# Altium PCB cyber60-alps.PcbDoc (part 4 of 4)
Units mm, origin at the board's own origin, x right, y up, seen from the top; angles counter-clockwise.
Board outline 284.73 x 94.2 mm, 2 copper layers (Component Side, Bottom Layer), stack 1.571 mm thick; 243 components, 151 nets, 841 pads, 663 vias.
Unrouted connection lines stored in the file: 6.
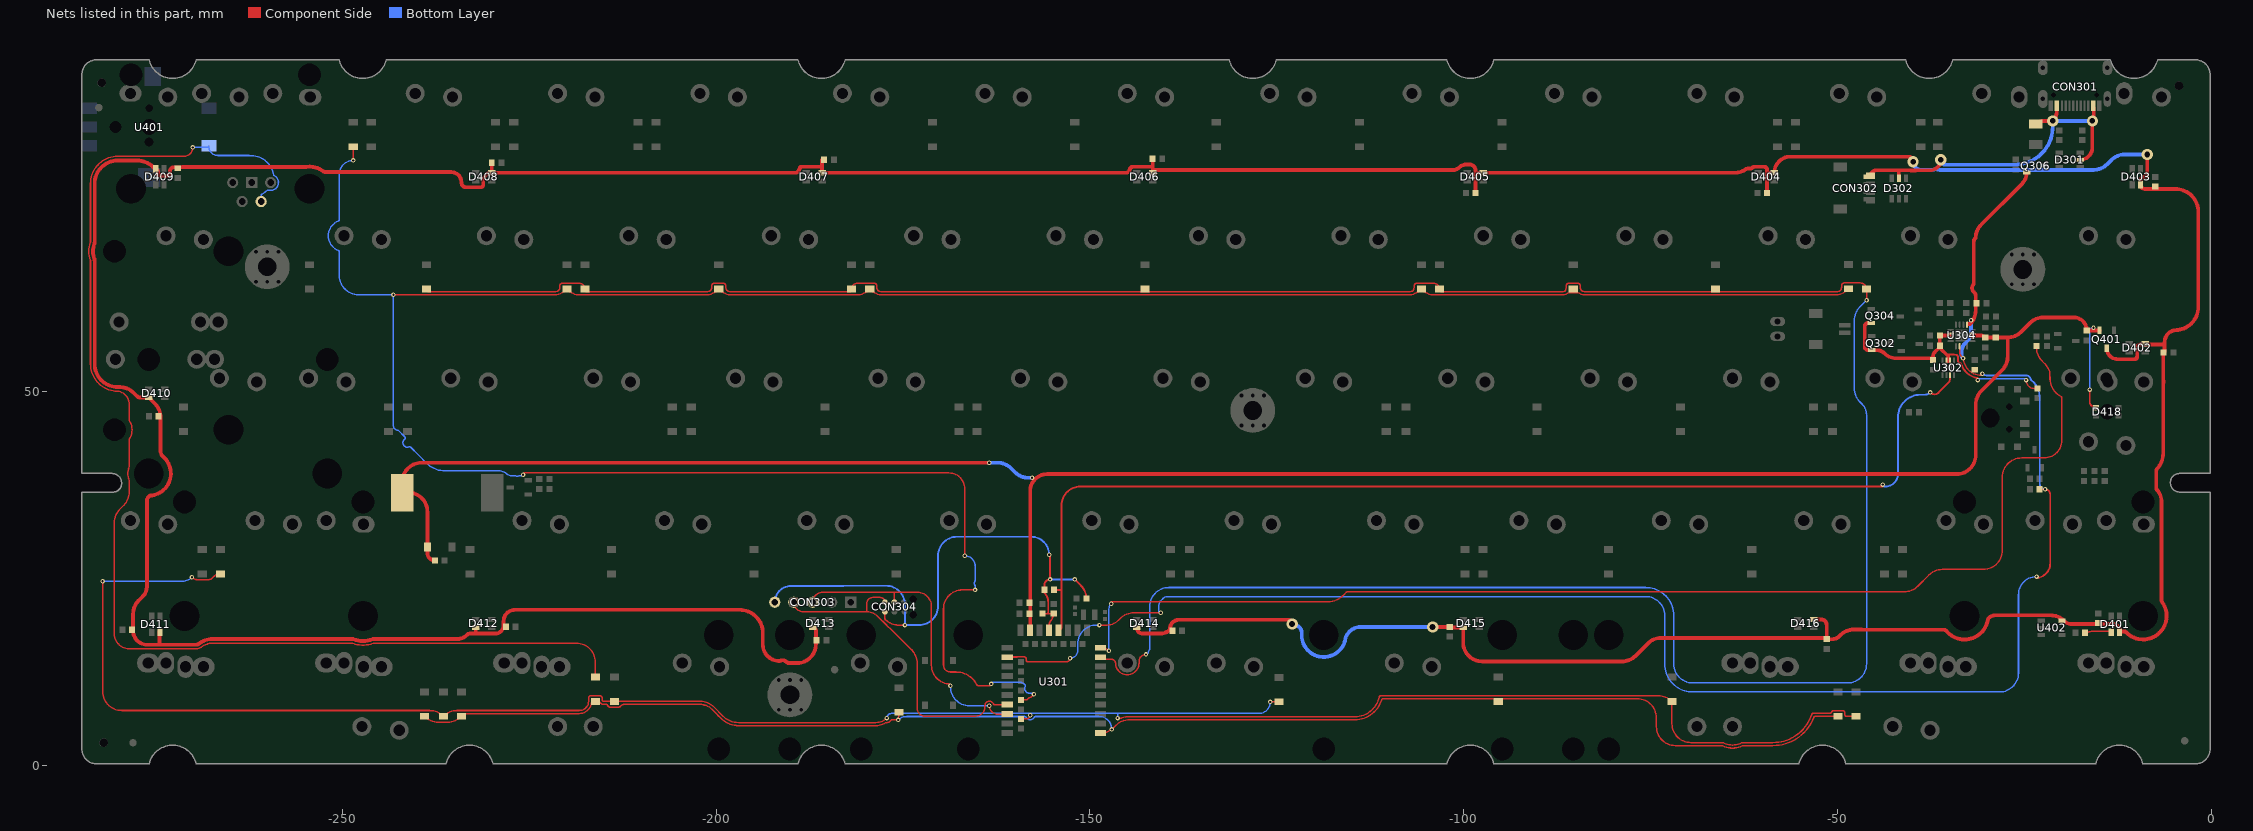
[diagram p4: the nets of this part, all layers, seen from the top]

## Via types
v1: diameter 0.6, hole 0.3, Component Side to Bottom Layer, tented both sides, 651 vias
v2: diameter 1, hole 0.5, Component Side to Bottom Layer, tented both sides, 5 vias
v3: diameter 1.5, hole 0.75, Component Side to Bottom Layer, tented both sides, 5 vias
v4: diameter 1.5, hole 0.8, Component Side to Bottom Layer, tented both sides, 2 vias

## Nets (pads, with @x,y where several pads share a name; then routed paths per layer and width w, separated by ;. In a path a pad name is that pad's centre, name@x,y a point inside that pad or via, vN(x,y) a via of type N, cw(c..) or ccw(c..) an arc to the next point about the centre after c; other vN are vias at no path point) (continued)
P0.30/AIN6: R401.1 U301.10 | length 164.2
  Component Side w0.203: U301.10@-148.563,15.756 -148.386,15.756 cw(c-148.386,14.428) v1(-147.447,15.367) ; v1@-147.193,21.882 -118.197,21.882 cw(c-118.145,21.686) -118.158,21.889 ccw(c-118.364,25.229) -115.749,23.141 ; -115.748,23.141 cw(c-115.59,23.014) -115.589,23.217 -104.775,23.217 -99.51,23.217 ccw(c-99.51,23.42) -99.474,23.22 -99.436,23.227 -99.392,23.235 -41.063,23.235 ccw(c-41.063,25.775) -39.267,23.979 -37.755,25.491 cw(c-35.959,23.695) -37.465,25.74 cw(c-35.959,23.695) -35.959,26.235 -30.48,26.235 ccw(c-30.48,28.775) -27.94,28.775 -27.94,38.583 cw(c-25.375,38.583) -25.375,41.148 -22.352,41.148 ccw(c-22.352,43.513) -19.987,43.513 -19.987,44.196 cw(c-19.431,44.196) -19.984,44.254 ccw(c-20.186,44.274) -19.983,44.273 -19.983,49.182 ccw(c-20.186,49.181) -20.09,49.36 cw(c-18.794,51.815) -21.565,51.978 ; R401.1@-23.368,56.119 -23.368,55.916 ccw(c-20.828,55.916) -23.155,54.897 ccw(c-20.828,55.916) -22.624,54.12 -22.225,53.721 cw(c-23.806,52.14) -21.57,52.14 -21.57,51.816
  Bottom Layer w0.203: v1(-147.447,15.367) -147.447,20.946 cw(c-146.441,20.946) v1(-147.152,21.657)
P0.31/AIN7: D215.2 D217.2 D219.2 D221.2 D223.2 D225.2 D227.2 U301.9 | length 376.4
  Component Side w0.203: D227.2@-238.76,63.73 ccw(c-238.381,63.73) -238.381,63.351 -235.839,63.351 -232.791,63.351 -221.798,63.351 ccw(c-221.798,65.488) -221.26,63.42 ccw(c-221.311,63.617) -221.207,63.442 ccw(c-221.534,63.984) -220.901,63.984 -220.901,64.185 cw(c-220.574,64.185) -220.574,64.512 -218.333,64.512 cw(c-218.333,63.73) D225.2@-217.551,63.73 ccw(c-217.067,63.73) -217.445,63.428 ccw(c-217.286,63.554) -217.286,63.351 -216.281,63.351 -201.478,63.351 ccw(c-201.478,65.488) -200.94,63.42 ccw(c-200.991,63.617) -200.887,63.442 ccw(c-201.214,63.984) -200.581,63.984 -200.581,64.185 cw(c-200.254,64.185) -200.254,64.512 -199.034,64.512 cw(c-199.034,64.185) -198.707,64.185 -198.707,63.984 ccw(c-198.074,63.984) -198.405,63.445 ccw(c-198.297,63.617) -198.35,63.421 ccw(c-197.81,65.488) -197.81,63.351 -196.215,63.351 -182.129,63.351 ccw(c-182.129,63.554) -181.971,63.426 ccw(c-182.348,63.73) D223.2@-181.864,63.73 cw(c-181.082,63.73) -181.082,64.512 -178.841,64.512 cw(c-178.841,64.185) -178.514,64.185 -178.514,63.984 ccw(c-177.881,63.984) -178.212,63.445 ccw(c-178.104,63.617) -178.157,63.421 ccw(c-177.617,65.488) -177.617,63.351 -107.498,63.351 ccw(c-107.498,65.488) -106.97,63.418 ccw(c-107.498,65.488) -106.968,63.418 ccw(c-107.498,65.488) -106.882,63.442 ccw(c-106.94,63.637) -106.792,63.497 ccw(c-107.129,63.811) -106.669,63.811 ccw(c-107.667,64.185) -106.601,64.185 cw(c-106.274,64.185) -106.274,64.512 -104.033,64.512 cw(c-104.033,63.73) D219.2@-103.251,63.73 ccw(c-102.872,63.73) -102.872,63.351 -87.102,63.351 ccw(c-87.102,65.488) -86.538,63.427 ccw(c-86.591,63.623) -86.421,63.512 ccw(c-87.146,63.984) -86.281,63.984 -86.281,64.185 cw(c-85.954,64.185) -85.954,64.512 -84.734,64.512 cw(c-84.734,64.185) -84.407,64.185 -84.407,63.984 ccw(c-83.774,63.984) -84.105,63.445 ccw(c-83.997,63.617) -84.05,63.421 ccw(c-83.51,65.488) -83.51,63.351 -50.388,63.351 ccw(c-50.388,65.488) -49.773,63.442 ccw(c-49.832,63.636) -49.713,63.471 ccw(c-50.084,63.984) -49.451,63.984 -49.451,64.225 cw(c-49.124,64.225) -49.124,64.552 -46.923,64.552 cw(c-46.923,63.73) D215.2@-46.101,63.73 -45.998,63.627 -46.101,63.524 v1(-46.101,62.23) ; U301.9@-148.25,14.2 -147.055,14.2 cw(c-147.055,13.716) -146.571,13.716 ccw(c-144.999,13.715) -146.477,13.18 ccw(c-144.999,13.715) -144.586,12.199 ccw(c-144.999,13.715) -143.428,13.717 -143.428,13.925 cw(c-142.494,13.925) v1(-142.494,14.859)
  Bottom Layer w0.203: -142.213,15.037 cw(c-141.224,14.859) -142.027,15.463 ccw(c-142.189,15.585) -141.986,15.586 -141.986,21.276 cw(c-139.446,21.276) -139.446,23.816 -75.648,23.816 cw(c-75.648,20.066) -73.955,23.412 cw(c-75.648,20.066) -73.223,22.926 cw(c-75.648,20.066) -72.387,21.918 cw(c-75.648,20.066) -71.898,20.066 -71.898,19.05 -71.898,13.589 ccw(c-69.358,13.589) -69.358,11.049 -48.641,11.049 ccw(c-48.641,13.589) -46.101,13.589 -46.101,46.854 ccw(c-48.269,46.854) -46.736,48.387 -47.008,48.659 cw(c-45.212,50.455) -47.752,50.455 -47.752,59.527 cw(c-45.212,59.527) -47.008,61.323 v1(-46.101,62.23)
P1.00: D216.2 D218.2 D220.2 D222.2 D224.2 D226.2 D228.2 U301.36 | length 368.7
  Component Side w0.203: v1@-248.539,80.899 D228.2@-248.539,82.78 ; v1(-243.16,62.992) -243.16,62.948 -241.935,62.948 -221.798,62.948 ccw(c-221.798,65.488) -220.002,63.692 D226.2@-219.964,63.73 D226.2@-219.904,63.67 ; v1@-225.854,38.91 cw(c-225.622,38.91) -225.622,39.142 -168.866,39.142 cw(c-168.866,37.006) -166.729,37.006 -166.729,28.089 cw(c-166.751,28.089) v1(-166.751,28.067) ; D226.2@-219.903,63.669 ccw(c-218.161,65.413) -219.39,63.276 ccw(c-218.161,65.413) -218.161,62.948 -201.478,62.948 ccw(c-201.478,65.488) -200.23,63.276 ccw(c-201.478,65.488) -199.682,63.692 D224.2@-199.644,63.73 -199.606,63.692 ccw(c-197.81,65.488) -199.058,63.276 ccw(c-197.81,65.488) -197.81,62.948 -181.254,62.948 ccw(c-181.254,65.413) -180.025,63.276 ccw(c-181.254,65.413) -179.511,63.67 D222.2@-179.451,63.73 -179.413,63.692 ccw(c-177.617,65.488) -178.865,63.276 ccw(c-177.617,65.488) -177.617,62.948 -107.498,62.948 ccw(c-107.498,65.488) -106.25,63.276 ccw(c-107.498,65.488) -105.702,63.692 D220.2@-105.664,63.73 -105.604,63.67 ccw(c-103.861,65.413) -105.09,63.276 ccw(c-103.861,65.413) -103.861,62.948 -87.102,62.948 ccw(c-87.102,65.488) D218.2@-85.854,63.276 ; v1(-165.354,23.495) -167.043,23.495 ccw(c-167.043,20.955) -169.583,20.955 -169.583,13.44 ccw(c-168.656,13.44) -169.54,13.161 -169.535,13.146 ccw(c-168.656,13.44) -169.475,13.006 ccw(c-168.656,13.44) -168.656,12.513 -167.894,12.513 cw(c-167.894,9.398) -165.402,11.267 cw(c-167.894,9.398) -165.113,10.801 ccw(c-164.932,10.893) -164.933,10.69 v1@-163.322,10.69 ; U301.36@-159.213,8.771 -158.517,8.771 ccw(c-158.518,8.974) -158.352,8.856 cw(c-157.861,8.509) -157.955,9.103 ccw(c-157.989,9.304) -157.846,9.159 v1(-157.48,9.525) ; D218.2@-85.306,63.692 cw(c-87.102,65.488) D218.2@-85.854,63.276 ; D216.2@-48.514,63.77 -48.592,63.692 cw(c-50.388,65.488) -50.388,62.948 -83.51,62.948 cw(c-83.51,65.488) -84.758,63.276 D218.2@-85.854,63.276
  Bottom Layer w0.203: v1(-248.541,80.942) ccw(c-248.541,79.088) -250.395,79.088 -250.395,73.054 cw(c-250.649,73.053) -250.555,72.817 ccw(c-249.775,70.865) -250.555,68.913 cw(c-250.649,68.677) -250.395,68.676 -250.395,65.532 ccw(c-247.855,65.532) -247.855,62.992 v1(-243.16,62.992) -243.16,45.584 ccw(c-242.57,45.466) -242.611,44.866 cw(c-242.625,44.663) -242.481,44.806 -241.641,43.967 cw(c-241.784,43.823) -241.662,43.66 ccw(c-241.3,43.18) -241.076,42.622 cw(c-241.001,42.433) -240.857,42.576 -239.827,41.547 -238.694,40.414 ccw(c-236.311,42.799) -238.013,39.889 ccw(c-236.311,42.799) -236.832,39.468 ccw(c-236.311,42.799) -236.311,39.427 -229.045,39.427 cw(c-229.045,37.916) -228.163,39.144 cw(c-229.045,37.916) -228.069,39.07 ccw(c-227.33,39.751) -227.33,38.746 -226.874,38.746 cw(c-226.873,38.543) -226.805,38.734 ; -226.804,38.734 ccw(c-226.6,39.3) -226.396,38.734 ; -226.395,38.735 cw(c-226.327,38.543) -226.326,38.746 -226.226,38.746 ccw(c-226.226,39.306) v1(-225.83,38.91) ; v1(-166.751,28.067) cw(c-166.751,26.67) -165.354,26.67 -165.354,24.762 cw(c-165.557,24.761) -165.378,24.666 ccw(c-164.846,24.384) -165.378,24.102 cw(c-165.557,24.007) -165.354,24.006 v1(-165.354,23.495) ; v1(-163.195,10.922) cw(c-162.814,10.922) -163.195,10.937 cw(c-162.992,10.928) -162.992,11.132 -159.363,11.132 cw(c-159.363,10.287) -158.666,10.764 cw(c-158.834,10.649) -158.652,10.558 ccw(c-158.115,10.287) -158.653,10.018 ccw(c-158.115,10.287) -158.115,9.685 -157.64,9.685 cw(c-157.64,9.525) v1(-157.48,9.525)
P1.04: D257.2 D259.2 D261.2 D263.2 D265.2 D267.2 U301.40 | length 303.9
  Component Side w0.203: v1(-282.067,24.638) -282.067,9.902 ccw(c-279.527,9.902) -279.527,7.362 -238.308,7.362 cw(c-238.308,4.822) -236.512,6.618 D265.2@-236.474,6.58 -236.414,6.64 cw(c-234.671,4.897) -234.671,7.362 -218.284,7.362 ccw(c-218.284,8.58) -217.066,8.58 -217.066,9.035 cw(c-216.764,9.035) -216.764,9.337 -215.544,9.337 cw(c-215.544,9.035) -215.242,9.035 -215.242,8.783 ccw(c-215.039,8.783) -215.039,8.58 D263.2@-213.614,8.58 -202.097,8.58 cw(c-202.097,6.04) -200.301,7.836 -199.102,6.637 ccw(c-196.991,8.688) -196.991,5.745 -178.625,5.745 ccw(c-178.625,7.81) v1(-177.165,6.35) ; v1(-270.117,25.196) ccw(c-269.278,26.035) -269.413,24.856 ccw(c-269.278,26.035) -269.278,24.848 -267.97,24.848 ccw(c-267.97,25.662) -267.395,25.086 -267.081,25.4 cw(c-266.526,24.845) -266.526,25.63 D267.2@-266.319,25.63 ; U301.40@-159.213,6.231 -158.488,6.231 ccw(c-158.488,6.731) v1(-157.988,6.731) ; v1(-146.304,6.35) -145.768,6.35 ccw(c-145.769,6.553) -145.701,6.362 cw(c-144.695,3.569) -144.699,6.537 cw(c-144.695,3.569) -144.695,6.537 -143.002,6.537 -114.554,6.537 ccw(c-114.554,9.884) -111.283,9.177 cw(c-111.085,9.133) -111.086,9.337 -73.945,9.337 cw(c-73.945,6.797) -72.149,8.593 D259.2@-72.136,8.58 -72.136,5.61 ccw(c-69.596,5.61) -69.596,3.07 -65.336,3.07 cw(c-65.335,2.867) -65.237,3.045 ccw(c-64.037,5.215) -62.837,3.045 cw(c-62.739,2.867) -62.738,3.07 -58.624,3.07 ccw(c-58.624,8.503) -55.44,4.1 ccw(c-58.624,8.503) -53.45,6.843 cw(c-53.257,6.78) -53.258,6.983 -51.002,6.983 ccw(c-51.003,7.186) -50.809,7.125 cw(c-50.521,7.035) -50.521,7.337 -49.301,7.337 cw(c-49.301,7.035) -48.999,7.035 -48.999,6.783 ccw(c-48.796,6.783) -48.796,6.58 D257.2@-47.498,6.58 ; v1(-125.857,8.509) -124.73,8.509 D261.2@-124.714,8.525
  Bottom Layer w0.203: v1(-282.067,24.638) -271.463,24.638 ccw(c-271.463,26.542) -271.176,24.66 ccw(c-271.463,26.542) v1(-270.117,25.196) ; v1(-177.165,6.35) cw(c-176.552,6.35) -176.552,6.963 -171.439,6.963 -160.528,6.963 -146.304,6.963 ; v1(-146.304,6.35) -146.304,6.963 ; v1(-125.857,8.509) cw(c-127.403,8.509) -127.403,6.963 -146.304,6.963
P1.09: R304.2 U301.17 U302.7 | length 150.3
  Component Side w0.254: R304.2@-154.798,23.495 -153.797,23.495 ; U301.17@-154.183,18.106 ccw(c-154.183,18.492) -153.797,18.492 -153.797,23.495 ; v1@-43.942,37.338 -151.232,37.338 ccw(c-151.232,34.773) -153.797,34.773 -153.797,23.495 ; v1(-37.592,49.911) ccw(c-36.979,50.524) -37.31,49.723 ccw(c-36.979,50.524) -36.979,49.657 ccw(c-36.979,50.327) -36.505,49.853 ; -36.505,49.853 -35.178,51.18 ; -35.178,51.181 ccw(c-35.78,51.782) -34.929,51.782 U302.7@-34.929,52.268
  Bottom Layer w0.254: v1(-43.942,37.592) ccw(c-43.688,37.592) -43.688,37.338 -43.561,37.338 ccw(c-43.561,38.989) -41.91,38.989 -41.91,46.584 cw(c-38.891,46.584) -38.891,49.603 -38.336,49.603 ccw(c-38.336,50.655) -37.898,49.698 ccw(c-38.336,50.655) v1(-37.592,49.911)
P1.11: D258.2 D260.2 D262.2 D264.2 D266.2 D270.2 U301.1 | length 204
  Component Side w0.203: D266.2@-239.014,6.58 -238.976,6.542 ccw(c-237.18,8.338) -237.18,5.798 -235.895,5.798 ccw(c-235.895,8.338) -234.099,6.542 D264.2@-234.061,6.58 cw(c-233.682,6.58) -233.682,6.959 -218.284,6.959 ccw(c-218.284,8.58) -216.672,8.399 cw(c-216.471,8.377) -216.47,8.58 D270.2@-216.154,8.58 -215.74,8.58 cw(c-215.739,8.377) -215.564,8.479 ccw(c-215.039,8.783) -215.039,8.177 -214.707,8.177 cw(c-214.706,7.974) -214.512,8.035 ccw(c-214.224,8.125) -214.224,7.823 -213.004,7.823 ccw(c-213.004,8.125) -212.728,8.003 cw(c-212.309,7.584) -212.554,8.124 cw(c-212.309,7.584) -212.309,8.177 -202.097,8.177 cw(c-202.097,6.04) -201.75,8.148 cw(c-201.783,7.948) -201.661,8.11 -201.639,8.093 ccw(c-201.516,8.255) -201.516,8.052 -201.412,8.052 cw(c-201.413,7.849) -201.343,8.039 cw(c-202.097,6.04) -200.584,7.549 -199.959,6.924 -199.705,6.671 ; -199.705,6.67 -199.389,6.355 ccw(c-196.991,8.688) -197.298,5.356 cw(c-197.315,5.154) -197.285,5.355 -197.216,5.344 ccw(c-197.186,5.545) -197.187,5.342 -178.625,5.342 ccw(c-178.625,7.81) -177.314,5.719 cw(c-177.207,5.546) -177.197,5.749 ccw(c-177.165,6.35) -176.67,6.008 cw(c-176.503,5.893) -176.504,6.096 v1@-175.771,6.096 ; v1(-175.641,6.096) v1@-175.771,6.096 ; D262.2@-175.514,7.128 cw(c-177.711,7.128) -175.641,6.392 cw(c-177.711,7.128) v1@-175.771,6.096 ; U301.1@-148.563,4.326 ccw(c-148.563,6.733) -146.861,5.031 -146.509,5.383 cw(c-144.695,3.569) -144.695,6.134 -114.554,6.134 ccw(c-114.554,9.884) -110.967,8.791 cw(c-110.773,8.73) -110.774,8.933 -96.23,8.933 cw(c-96.23,7.727) D260.2@-95.377,8.58 cw(c-94.524,7.727) -94.996,8.837 cw(c-94.524,7.727) -94.524,8.933 -76.757,8.933 cw(c-76.757,6.393) -74.217,6.393 -74.217,5.207 ccw(c-71.677,5.207) -71.677,2.667 -65.436,2.667 cw(c-65.435,2.464) -65.343,2.645 ccw(c-64.037,5.215) -62.731,2.645 cw(c-62.639,2.464) -62.638,2.667 -58.624,2.667 ccw(c-58.624,8.503) -53.161,6.449 cw(c-52.971,6.377) -52.972,6.58 cw(c-52.961,4.1) -52.961,6.58 D258.2@-49.911,6.58
  Bottom Layer w0.203: v1(-175.641,6.096) cw(c-174.522,4.977) -174.522,6.56 -161.036,6.56 -158.699,6.56 cw(c-158.7,6.356) -158.521,6.452 ccw(c-157.988,6.731) -157.455,6.452 cw(c-157.276,6.356) -157.277,6.56 -148.797,6.56 cw(c-148.8,4.826) v1(-147.066,4.826)
RAW: CON301.A4B9 CON301.B4A9 CON302.1 D301.5 D302.5 F301.2 | length 48
  Component Side w0.5: CON302.1@-45.625,78.75 cw(c-44.746,78.75) -44.746,79.629 -41.783,79.629 ; D302.5@-41.783,78.591 -41.783,79.629 ; v3(-36.195,81.026) cw(c-37.592,81.026) -37.592,79.629 -39.44,79.629 ccw(c-39.441,79.129) -39.57,79.612 cw(c-39.878,80.772) -40.186,79.612 ccw(c-40.315,79.129) -40.316,79.629 -41.783,79.629 ; F301.2@-23.495,85.805 cw(c-22.462,84.772) -22.462,86.233 v3(-21.209,86.233) ccw(c-22.559,87.583) -20.65,87.583 CON301.B4A9@-20.65,88 ; D301.5@-17.548,81.026 ccw(c-17.548,82.674) -15.9,82.674 v3(-15.9,86.233) ; v3@-15.7,86.535 CON301.A4B9@-15.7,88
  Bottom Layer w0.5: v3(-36.195,81.026) ccw(c-35.55,81.026) -35.55,80.381 -26.262,80.381 ccw(c-26.262,85.433) -21.209,85.433 v3(-21.209,86.233) v3@-16.002,86.233
ROT_SW_A1: CON401.1 D270.1 U401.1 | length 167.9
  Component Side w0.203: -280.257,50.077 cw(c-280.035,53.721) -280.655,50.123 cw(c-280.035,53.721) -282.092,50.704 cw(c-280.035,53.721) -283.131,51.786 cw(c-280.035,53.721) -283.686,53.721 -283.686,67.534 ccw(c-283.889,67.535) -283.698,67.604 cw(c-280.465,68.783) -283.698,69.962 ccw(c-283.889,70.031) -283.686,70.032 -283.686,77.85 cw(c-280.035,77.85) -283.24,79.599 cw(c-280.035,77.85) -281.556,81.169 cw(c-280.035,77.85) -280.035,81.501 -278.384,81.501 -276.763,81.501 -271.178,81.501 ccw(c-271.178,82.677) v1(-270.002,82.677) ; -280.256,50.076 ccw(c-280.035,53.721) -280.119,50.071 cw(c-280.124,49.868) -280.106,50.07 cw(c-280.257,48.331) -278.511,48.331 -278.511,47.052 -278.511,46.233 ccw(c-278.308,46.236) -278.481,46.129 cw(c-280.465,44.907) -278.481,43.685 ccw(c-278.308,43.578) -278.511,43.578 -278.511,40.078 cw(c-278.714,40.077) -278.523,40.008 ccw(c-275.888,39.06) -278.523,38.112 cw(c-278.714,38.043) -278.511,38.042 -278.511,36.593 cw(c-281.051,36.593) -279.255,34.797 -279.75,34.301 ccw(c-277.954,32.505) -280.296,33.488 ccw(c-277.954,32.505) -280.494,32.505 -280.494,24.915 -280.494,23.114 -280.494,17.609 ccw(c-278.486,17.609) -278.486,15.6 -269.538,15.6 ccw(c-269.538,16.664) -268.882,15.827 ccw(c-269.538,16.664) -268.88,15.829 cw(c-267.311,13.831) -268.098,16.246 cw(c-268.036,16.053) -268.035,16.256 cw(c-267.922,16.087) -267.973,16.283 cw(c-267.311,13.831) -267.311,16.371 -248.717,16.371 cw(c-248.716,16.168) -248.643,16.358 ccw(c-247.242,20.01) -245.841,16.358 cw(c-245.768,16.168) -245.767,16.371 -218.694,16.371 cw(c-218.694,13.831) -216.154,13.831 D270.1@-216.154,11.85
  Bottom Layer w0.203: v1(-270.002,82.677) -268.082,82.677 ccw(c-268.082,82.915) U401.1@-267.844,82.915 ccw(c-266.336,82.915) -267.839,82.794 ccw(c-266.649,82.794) -267.53,81.994 ccw(c-266.649,82.794) -266.65,81.604 ; -266.649,81.604 -262.488,81.604 cw(c-262.488,81.401) -262.467,81.603 -261.834,81.538 cw(c-262.128,78.61) -259.618,80.147 cw(c-262.128,78.61) -259.205,78.958 cw(c-259.588,77.978) -258.568,77.723 cw(c-259.588,77.978) -259.522,76.928 cw(c-259.588,77.978) -259.902,76.974 ccw(c-259.963,76.781) -260.02,76.976 -260.025,76.971 cw(c-262.105,79.053) -260.761,76.435 ccw(c-260.668,76.254) -260.858,76.327 CON401.1@-260.858,75.438
SWDCLK: CON303.3 CON304.4 U301.39 | length 40.7
  Component Side w0.203: CON303.3@-187.071,21.844 cw(c-185.718,21.844) -185.718,23.197 -176.149,23.197 ; CON304.4@-176.149,21.844 -176.149,23.197 ; v1@-168.656,10.9 cw(c-168.656,13.44) -171.196,13.44 -171.196,21.292 ccw(c-173.101,21.292) -173.101,23.197 -176.149,23.197 ; v1(-163.449,8.001) ccw(c-162.314,8.001) -162.314,6.866 U301.39@-161.063,6.866
  Bottom Layer w0.203: v1(-168.656,10.668) -168.656,10.541 ccw(c-166.116,10.541) -166.116,8.001 v1(-163.449,8.001)
SWDIO: CON303.4 CON304.2 U301.37 | length 44.9
  Component Side w0.203: CON303.4@-189.611,21.844 ccw(c-188.341,21.844) -188.341,20.574 -179.832,20.574 ; CON304.2@-177.419,21.844 ccw(c-178.054,21.844) -178.054,22.479 -179.07,22.479 ccw(c-179.07,21.717) -179.832,21.717 -179.832,20.574 ; U301.37@-161.063,8.136 -162.72,8.136 cw(c-162.719,8.339) -162.903,8.253 ccw(c-163.449,8.001) -164.036,7.87 cw(c-165.302,7.87) -164.04,7.768 cw(c-165.302,7.87) -165.222,6.607 cw(c-165.302,7.87) -165.302,6.604 -172.085,6.604 cw(c-172.085,7.62) -173.101,7.62 -173.101,13.68 ccw(c-175.641,13.68) -173.845,15.476 -176.437,18.068 -176.446,18.076 -177.188,18.773 -178.392,19.978 ccw(c-179.832,18.538) -179.832,20.574
UG_OUT: D401.4 R404.1 | length 3.5
  Component Side w0.203: R404.1@-16.749,17.653 cw(c-16.068,16.972) -16.068,17.935 -13.418,17.935 -13.35,17.935 cw(c-13.418,18.003) D401.4@-13.418,17.907
VBAT: C307.2 C312.2 C313.2 Q302.2 Q304.2 R311.2 U302.2 U302.3 U304.2 U304.3 | length 35.5
  Component Side w0.203: v1@-31.261,51.841 ccw(c-31.271,51.638) -31.337,51.83 ccw(c-31.271,51.638) -31.369,51.816 -31.242,51.816 v1(-31.242,51.562) ; v1(-24.765,51.562) ccw(c-23.637,51.562) -23.637,50.434 R311.2@-23.241,50.434
  Component Side w0.254: -35.179,54.981 -34.534,54.981 cw(c-34.534,53.467) -34.064,54.906 cw(c-34.143,54.665) -33.889,54.666 -33.889,54.185 ccw(c-33.562,54.185) -33.628,53.865 cw(c-33.681,53.616) -33.44,53.698 ccw(c-30.749,54.61) -32.823,52.668 ccw(c-30.749,54.61) v1@-31.337,51.83
  Component Side w0.5: Q304.2@-45.466,59.187 -45.91,59.187 ccw(c-45.91,58.743) -46.355,58.743 -46.355,56.045 ccw(c-45.875,56.045) -45.875,55.565 Q302.2@-45.396,55.565 -44.767,55.565 cw(c-44.767,54.039) -43.688,55.118 ccw(c-42.155,56.651) -43.307,54.814 ccw(c-42.155,56.651) -42.155,54.483 C307.2@-37.592,54.483 ; C307.2@-37.211,54.244 -37.211,54.737 cw(c-36.41,54.737) -36.977,55.303 -36.457,55.823 -36.457,55.959 C312.2@-36.307,56.109 ; -35.179,54.102 -35.179,54.737 -36.307,55.865 C312.2@-36.307,56.109 ; -34.925,57.531 C313.2@-36.307,57.531 C312.2@-36.307,56.134 C312.2@-36.307,56.109
  Bottom Layer w0.203: v1(-31.242,51.562) cw(c-31.036,51.562) -31.036,51.768 -25.933,51.768 v1@-24.765,51.768
VBUS: C308.2 C309.2 Q306.2 R305.1 U301.27 U304.6 U304.13 | length 238.8
  Component Side w0.203: -159.863,14.553 -160.996,14.553 ccw(c-160.996,14.486) U301.27@-161.063,14.486 -159.863,14.486 ccw(c-159.864,14.689) -159.763,14.513 ; -159.763,14.553 -158.813,14.553 cw(c-158.813,14.251) -158.662,14.512 cw(c-158.813,14.251) -158.511,14.251 -158.511,14.091 ccw(c-158.308,14.091) -158.308,13.887 -153.118,13.887 ccw(c-153.118,14.351) v1(-152.654,14.351) ; v1(-148.717,18.796) -147.71,18.796 ccw(c-147.71,20.964) -146.177,19.431 -145.915,19.693 cw(c-144.119,17.897) -144.119,20.437 v1(-140.532,20.437) ; U304.6@-33.651,56.081 -33.651,55.213 ccw(c-33.448,55.214) -33.608,55.089 cw(c-34.143,54.665) -33.473,54.795 ccw(c-33.274,54.836) -33.463,54.761 -33.46,54.761 -33.162,54.61 ccw(c-30.749,54.61) v1@-30.749,52.197
  Component Side w0.254: v1@-23.38,25.095 ccw(c-23.495,27.051) -21.536,27.051 -21.536,36.268 ccw(c-22.225,36.268) v1(-22.225,36.957) R305.1@-22.972,36.957
  Component Side w0.5: -32.512,59.058 -32.255,59.058 ccw(c-34.051,60.854) -31.511,60.854 -31.511,62.883 ccw(c-32.011,62.883) -31.657,63.236 -31.743,63.322 ccw(c-32.097,62.969) -31.755,63.334 cw(c-31.242,63.881) -31.846,64.326 ccw(c-32.25,64.62) -31.75,64.619 -31.75,70.134 cw(c-31.25,70.134) -31.511,70.561 cw(c-28.971,70.561) -30.767,72.357 -25.321,77.803 ccw(c-26.832,79.314) Q306.2@-24.695,79.314
  Bottom Layer w0.203: v1(-152.654,14.351) ccw(c-152.654,15.367) -151.638,15.367 -151.638,16.256 cw(c-149.098,16.256) -149.098,18.796 v1@-148.971,18.796 ; v1@-140.776,20.574 -140.776,21.276 cw(c-139.446,21.276) -140.578,21.975 cw(c-140.406,21.867) -140.55,22.01 -140.266,22.294 ccw(c-140.41,22.438) -140.259,22.301 -140.205,22.361 cw(c-140.054,22.225) -140.165,22.395 cw(c-139.446,21.276) -139.446,22.606 -75.648,22.606 cw(c-75.648,20.066) -73.108,20.066 -73.108,14.775 -73.108,13.589 ccw(c-69.358,13.589) -73.108,13.584 ccw(c-69.358,13.589) -72.473,11.502 ccw(c-69.358,13.589) -70.735,10.102 ccw(c-69.358,13.589) -69.358,9.839 -28.321,9.839 ccw(c-28.321,12.379) -25.781,12.379 -25.781,22.86 cw(c-23.368,22.86) v1(-23.368,25.273)
  Bottom Layer w0.254: v1(-30.607,52.418) ccw(c-30.073,52.952) -30.073,52.197 -24.765,52.197 cw(c-24.765,51.768) -24.63,52.175 ccw(c-24.551,52.417) -24.614,52.171 cw(c-24.765,51.562) -24.15,51.685 ccw(c-23.902,51.737) -24.062,51.54 cw(c-25.933,49.203) -22.939,49.203 -22.939,37.671 ccw(c-22.225,37.671) v1(-22.225,36.957)
  Bottom Layer w0.5: v1(-33.2,54.483) cw(c-32.715,54.968) -33.401,54.968 -33.401,55.372 cw(c-31.868,55.372) -32.952,56.456 -32.639,56.769 ccw(c-33.865,57.995) -32.131,57.995 v1(-32.131,59.563)
VCC_EXT: C401.2 C402.2 C403.2 C404.2 C405.2 C406.2 C407.2 C408.2 C409.2 C410.2 C411.2 C412.2 C413.2 C414.2 C415.2 C416.2 D401.1 D402.1 D403.1 D404.1 D405.1 D406.1 D407.1 D408.1 D409.1 D410.1 D411.1 D412.1 D413.1 D414.1 D415.1 D416.1 Q401.3 U402.5 | length 711.5
  Component Side w0.508: D409.1@-275.257,79.994 ccw(c-277.49,77.85) -275.531,80.247 ccw(c-277.49,77.85) -275.533,80.248 ccw(c-277.49,77.85) -277.485,80.946 -280.035,80.946 ccw(c-280.035,77.85) -283.119,78.119 ccw(c-280.035,77.85) -283.131,77.85 -283.131,69.988 cw(c-283.639,69.986) -283.164,69.806 ccw(c-280.465,68.783) -283.164,67.76 cw(c-283.639,67.58) -283.131,67.578 -283.131,53.721 ccw(c-280.035,53.721) -281.316,50.903 ccw(c-280.035,53.721) -280.035,50.625 -279.755,50.625 cw(c-279.755,48.085) -277.958,49.881 -277.495,49.418 ccw(c-277.051,49.862) -277.051,49.234 D410.1@-275.893,49.234 -275.063,48.404 cw(c-276.859,46.607) -274.319,46.607 -274.319,42.204 ccw(c-272.629,42.204) -274.233,41.673 ccw(c-273.513,41.912) -274,41.331 ; D409.1@-274.95,79.815 cw(c-275.162,79.353) -274.654,79.353 -274.654,79.315 ccw(c-274.2,79.315) -274.2,78.861 -273.5,78.861 ccw(c-273.5,79.315) -273.046,79.315 -273.046,79.52 cw(c-272.538,79.52) -272.59,80.025 -271.399,80.025 ; D411.1@-274.45,17.935 -274.45,16.328 ccw(c-274.207,16.328) -274.379,16.156 ; -273.424,40.688 ccw(c-275.888,39.06) -273.997,41.328 cw(c-273.513,41.912) -274,41.331 ; -271.399,80.074 -254.895,80.074 ccw(c-254.895,80.582) -254.821,80.08 ccw(c-254.895,80.582) -254.819,80.08 cw(c-254.381,77.16) -253.907,80.075 cw(c-254.381,77.16) -252.575,79.496 ccw(c-252.264,79.898) -252.264,79.39 -238.252,79.39 -235.479,79.39 ; -235.458,79.39 cw(c-235.458,78.003) -234.071,78.003 -234.071,78 ccw(c-233.414,78) -233.418,77.343 ccw(c-233.411,79.39) -233.411,77.343 -231.521,77.343 ccw(c-231.521,77.724) -231.14,77.724 -231.14,78.178 cw(c-230.018,78.178) D408.1@-230.018,79.3 ; D412.1@-232.148,18.45 -232.156,18.45 -232.156,17.646 ; C408.2@-230.012,80.772 -230.012,79.306 D408.1@-230.018,79.3 ; -188.879,79.727 cw(c-189.38,79.815) -189.226,79.33 cw(c-189.422,79.947) -189.422,79.3 D408.1@-230.018,79.3 ; -188.879,79.728 cw(c-188.432,79.65) -188.776,79.947 cw(c-188.618,79.947) -188.618,80.104 -185.947,80.104 ccw(c-185.947,80.235) -185.816,80.235 ; D413.1@-187.065,18.45 cw(c-187.065,18.035) -186.65,18.035 -186.65,16.241 cw(c-189.19,16.241) -189.19,13.701 -189.832,13.701 ccw(c-190.119,9.45) -190.223,13.709 cw(c-190.232,14.217) -190.594,13.861 ccw(c-191.135,13.335) -191.448,14.021 cw(c-191.657,14.484) -191.697,13.977 cw(c-191.516,16.208) -193.754,16.208 -193.754,17.73 ccw(c-196.85,17.73) -194.385,19.602 ccw(c-196.85,17.73) -196.58,20.813 -196.58,20.825 -226.904,20.825 ccw(c-226.904,19.304) -228.425,19.304 cw(c-230.083,19.304) -228.472,18.915 -228.472,18.692 cw(c-229.518,18.692) -229.518,17.646 -232.156,17.646 ; C407.2@-185.816,81.026 -185.816,80.235 ; D414.1@-143.715,18.45 ccw(c-142.911,18.45) -142.911,17.646 -140.577,17.646 ccw(c-140.577,19.404) -139.334,18.161 cw(c-137.988,18.161) -139.253,18.62 cw(c-137.988,18.161) -139.207,18.732 cw(c-137.988,18.161) -137.988,19.507 -123.52,19.507 cw(c-123.52,18.923) v4(-122.936,18.923) ; C406.2@-141.62,81.026 -141.585,81.026 -141.585,80.104 ; v4(-104.14,18.542) -102.023,18.542 cw(c-102.023,18.45) -101.931,18.45 D415.1@-100.065,18.45 -100.065,16.463 ccw(c-97.525,16.463) -97.525,13.923 -78.823,13.923 ccw(c-78.823,16.463) -77.027,14.667 -75.361,16.333 cw(c-73.565,14.537) -73.565,17.077 -70.993,17.077 -56.261,17.077 -54.763,17.077 -51.847,17.077 cw(c-51.847,16.494) C416.2@-51.435,16.906 ; C405.2@-98.425,76.454 -98.425,79.3 ; -63.514,79.306 cw(c-63.69,81.724) -63.69,79.3 D405.1@-97.368,79.3 -98.425,79.3 ; -63.325,79.328 ccw(c-63.69,81.724) -62.32,79.724 cw(c-61.893,79.097) -61.891,79.856 -61.71,79.856 ccw(c-61.71,80.364) -61.369,79.987 cw(c-61.065,79.65) -61.065,80.104 -59.823,80.104 cw(c-59.823,79.702) -59.421,79.702 -59.421,79.3 ; C404.2@-59.421,76.581 -59.421,79.3 ; D416.1@-53.152,19.55 -52.189,19.55 cw(c-52.189,18.796) -51.435,18.796 -51.435,18.442 C416.2@-51.435,16.906 ; v3@-39.878,81.153 ccw(c-40.577,80.454) -40.577,81.442 -56.293,81.442 ccw(c-56.293,79.3) D404.1@-58.435,79.3 -59.421,79.3 ; Q401.3@-13.97,55.823 ccw(c-12.503,55.823) -12.503,54.356 -10.276,54.356 ccw(c-10.276,54.726) -9.906,54.726 -9.906,55.88 cw(c-9.483,55.88) -9.483,56.303 -6.339,56.303 cw(c-6.339,56.16) -6.238,56.261 ; v3(-8.554,81.743) -8.554,79.165 cw(c-8.979,79.165) -8.979,78.74 ccw(c-8.979,78.269) -9.45,78.269 D403.1@-9.45,77.685 ccw(c-8.902,77.685) -8.902,77.137 -4.826,77.137 cw(c-4.826,74.041) -3.014,76.551 cw(c-4.826,74.041) -1.73,74.041 -1.73,61.341 cw(c-4.826,61.341) -2.637,59.152 cw(c-4.826,61.341) -3.936,58.376 cw(c-4.826,61.341) -4.44,58.27 ccw(c-4.377,57.766) -4.493,58.26 cw(c-4.62,58.801) -4.62,58.245 ccw(c-4.62,56.627) -6.238,56.627 -6.238,56.261 ; -274.379,16.156 -274.066,16.156 -269.538,16.156 ccw(c-269.538,16.664) -269.224,16.265 cw(c-267.311,13.831) -268.833,16.527 cw(c-267.311,13.831) -267.311,16.927 -248.669,16.927 cw(c-248.669,16.419) -248.481,16.891 ccw(c-247.242,20.01) -246.003,16.891 cw(c-245.815,16.419) -245.814,16.927 -234.612,16.927 ccw(c-234.612,18.669) -233.336,17.484 cw(c-232.964,17.138) -232.962,17.646 -232.156,17.646 ; -274.379,16.156 -276.11,16.156 cw(c-276.11,18.034) -277.988,18.034 -277.988,20.271 cw(c-275.448,20.271) -277.244,22.067 -276.704,22.607 ccw(c-278.106,24.011) -276.368,23.054 -276.36,23.067 ccw(c-278.661,24.143) -276.121,24.143 -276.121,35.476 cw(c-275.459,35.476) -275.708,36.09 cw(c-275.517,35.619) -275.573,36.124 cw(c-275.517,35.619) -275.572,36.124 ccw(c-275.888,39.06) -275.459,36.139 ccw(c-275.888,39.06) -274,41.331 ; -185.816,80.235 -185.816,79.3 D407.1@-185.802,79.3 -145.236,79.3 -145.164,79.3 ccw(c-145.164,79.808) -144.663,79.725 cw(c-144.215,79.65) -144.215,80.104 -141.585,80.104 ; -141.585,80.104 -141.585,79.667 -101.412,79.667 ccw(c-101.412,80.838) -100.584,80.01 cw(c-99.664,79.09) -99.664,80.391 -99.187,80.391 cw(c-99.187,79.629) -98.425,79.629 -98.425,79.3 ; C416.2@-51.435,16.906 -50.668,16.906 ccw(c-50.668,18.156) -49.784,17.272 -49.608,17.448 cw(c-47.812,15.652) -47.812,18.192 -46.736,18.192 -37.338,18.162 -35.802,18.162 cw(c-35.801,17.654) -35.412,17.982 ccw(c-32.994,20.01) -30.262,18.43 cw(c-29.822,18.176) -30.261,18.432 ccw(c-32.994,20.01) -29.981,19.073 ccw(c-32.994,20.01) -29.98,19.075 ccw(c-32.994,20.01) -29.889,19.444 cw(c-29.39,19.352) -29.815,19.631 cw(c-28.959,19.073) -28.959,20.094 -21.467,20.094 cw(c-21.467,17.605) -19.707,19.365 ccw(c-18.64,20.432) -18.64,18.923 -13.081,18.923 cw(c-13.081,18.092) -12.25,18.092 -12.25,17.935 -11.704,17.935 cw(c-11.706,17.427) -11.347,17.787 ccw(c-9.118,20.01) -6.002,19.562 ccw(c-9.118,20.01) -6.552,21.833 cw(c-6.137,22.126) -6.645,22.124 -6.645,34.416 -6.645,35.017 cw(c-6.137,35.017) -6.643,35.057 ccw(c-9.118,35.25) -6.645,35.462 ccw(c-9.118,35.25) -7.242,36.876 cw(c-6.858,37.209) -7.366,37.209 -7.366,37.591 -7.366,37.973 -7.366,39.36 cw(c-6.858,39.36) -7.234,39.701 ccw(c-9.525,41.783) -6.907,40.13 cw(c-6.477,39.861) -6.907,40.132 ccw(c-9.525,41.783) -6.429,41.783 -6.429,50.881 cw(c-5.921,50.881) -6.425,50.951 ccw(c-9.031,51.315) -6.425,51.679 cw(c-5.921,51.749) -6.429,51.749 -6.429,55.181 cw(c-6.238,55.181) -6.238,55.372 -6.238,56.261
  Bottom Layer w0.508: v4(-122.936,18.923) cw(c-122.936,17.634) -121.665,17.847 cw(c-122.166,17.764) -121.66,17.722 ccw(c-118.718,17.47) -121.648,17.102 -121.647,17.099 ccw(c-118.718,17.47) -120.933,15.517 -120.892,15.47 ccw(c-120.51,15.806) -120.868,15.445 -120.858,15.435 cw(c-121.218,15.077) -120.852,15.429 ccw(c-118.718,17.47) -117.428,14.814 ; -118.605,14.519 ccw(c-118.718,17.47) -117.428,14.814 ; v4(-104.14,18.542) -113.749,18.542 ccw(c-113.749,16.384) -115.772,17.136 ccw(c-115.295,16.961) -115.797,17.037 cw(c-118.718,17.47) -115.885,16.638 -115.9,16.585 cw(c-116.388,16.728) -115.907,16.563 -115.925,16.512 cw(c-118.718,17.47) -116.05,16.205 cw(c-118.718,17.47) -117.428,14.814 ; v3(-39.878,80.772) ccw(c-38.783,80.772) -38.783,79.677 -37.592,79.677 -37.38,79.677 ccw(c-37.38,80.185) -37.213,79.705 cw(c-36.83,78.613) -36.448,79.705 ccw(c-36.28,80.185) -36.28,79.677 -34.925,79.677 -15.737,79.677 ccw(c-15.737,82.217) -13.94,80.421 -13.362,80.999 cw(c-11.566,79.203) -11.566,81.743 v3(-8.554,81.743)
VDD: C305.2 CON303.5 CON304.1 L301.1 R303.1 R304.1 U301.19 | length 75.3
  Component Side w0.203: CON304.1@-177.419,20.574 -177.419,19.659 ccw(c-177.216,19.659) -177.36,19.516 ; -177.36,19.515 ccw(c-175.601,21.275) -175.601,18.787 v1(-174.743,18.787)
  Component Side w0.254: L301.1@-156.337,20.305 -155.638,20.305 ; R304.1@-156.098,23.114 cw(c-157.361,21.851) -155.575,21.851 -155.575,20.458 cw(c-155.792,20.458) -155.638,20.305 ; R304.1@-156.098,23.495 -156.098,24.115 cw(c-155.321,24.115) v1(-155.321,24.892) -155.321,28.067 ccw(c-155.448,28.067) v1(-155.448,28.194) ; U301.19@-155.453,18.106 -155.453,18.806 cw(c-154.569,18.806) -155.194,19.431 ccw(c-155.807,20.044) -154.94,20.044 -154.94,20.305 -155.638,20.305 ; v1(-152.019,24.892) -151.414,24.287 -151.188,24.061 cw(c-152.897,22.352) R303.1@-150.48,22.352
  Bottom Layer w0.254: CON303.5@-192.151,21.844 cw(c-189.992,21.844) -189.992,24.003 -183.234,24.003 ccw(c-183.235,24.257) -183.186,24.008 cw(c-182.753,21.844) -182.753,24.051 -177.283,24.051 cw(c-177.283,21.511) -174.743,21.511 v1(-174.743,18.787) -172.847,18.787 ccw(c-172.847,21.327) -170.307,21.327 -170.307,28.067 cw(c-167.767,28.067) -167.767,30.607 -157.861,30.607 cw(c-157.861,28.194) v1(-155.448,28.194) ; v1(-155.321,24.892) v1(-152.019,24.892)
VSYS: BZ401.1 C301.2 C302.2 C310.2 C311.2 D417.2 D418.2 Q401.2 R402.2 R405.1 U301.23 U304.10 U304.11 | length 295
  Component Side w0.254: v1(-16.256,50.292) -16.256,48.709 ccw(c-15.412,48.709) D418.2@-15.412,47.865
  Component Side w0.5: R405.1@-237.632,27.432 cw(c-237.632,28.417) -238.617,28.417 D417.2@-238.617,29.21 -238.617,33.96 ccw(c-241.157,33.96) -241.157,36.5 BZ401.1@-241.966,36.5 -241.966,37.96 cw(c-239.426,37.96) -239.426,40.5 -227.368,40.5 ccw(c-227.37,41) -227.355,40.501 cw(c-227.33,39.751) -227.33,40.501 cw(c-227.33,39.751) -227.305,40.501 ccw(c-227.29,41) -227.292,40.5 v1@-163.576,40.5 ; U301.23@-157.993,18.106 -157.993,36.698 cw(c-155.702,36.698) -155.702,38.989 -34.061,38.989 ccw(c-34.061,41.554) -31.496,41.554 -31.496,48.311 cw(c-28.931,48.311) -30.745,50.125 -27.98,52.889 ccw(c-29.795,54.703) -27.263,54.289 ccw(c-29.795,54.703) -27.229,54.703 -27.229,57.262 ; -31.877,57.531 -30.875,57.531 cw(c-30.875,56.613) C311.2@-30.226,57.262 C310.2@-28.829,57.262 -27.229,57.262 ; Q401.2@-14.92,58.223 cw(c-14.962,58.223) -14.962,58.181 R402.2@-16.637,58.181 ccw(c-18.4,58.181) -18.4,59.944 -22.443,59.944 ccw(c-22.443,57.404) -24.239,59.2 -25.433,58.006 cw(c-27.229,59.802) -27.229,57.262
  Bottom Layer w0.254: v1(-16.256,50.292) -16.256,58.039 cw(c-15.748,58.039) v1(-15.748,58.547)
  Bottom Layer w0.5: v1(-163.449,40.513) -162.353,40.513 cw(c-162.353,37.948) -160.539,39.762 -160.009,39.232 ccw(c-158.195,41.046) -158.195,38.481 v1(-157.734,38.481)
pads on no net: CON301. CON301.A8 CON301.B8 CON304.0 CON304.6 D301.3 D301.4 D302.3 D302.4 D416.2 D418. FID1.0 FID2.0 FID3.0 FID4.0 S201. S202. S203. S204. S205. S206. S207. S208. S209. S210. S211. S212. S213. S214. S215. S216. S217. S218. S219. S220. S221. S222. S223. S224. S225. S226. S227. S228. S229. S230. S231. S232. S233. S234. S235. S236. S237. S238. S239. S240. S241. S242. S243. S244. S245. S246. S247. S248. S249. S250. S251. S252. S253. S254. S255. S256. S257. S258. S259. S260. S261. S262. S263. S264. S265. S266. S267. SW301. U302.5 U401. U401.M
copper on no net: | length 0.2
  Bottom Layer w0.203: -283.844,85.415 -283.594,85.415
  other v1: -42.799,44.958 -40.259,44.958

## Polygon pours and split planes (outlines as drawn)
GND on Bottom Layer "Component Side-No Net" (solid, remove dead copper, pour order 4): -0.635,93.995 -0.635,0.65 -284.48,0.65 -284.48,93.995
GND on Component Side "Component Side-No Net" (solid, remove dead copper, pour order 8): -0.635,93.995 -0.635,0.65 -284.48,0.65 -284.48,93.995

## Other copper
Component Side:
  pour cut-out: -189.992,-1.016 -189.992,2.413 cw(c-188.722,2.413) -188.722,3.683 -119.634,3.683 cw(c-119.634,2.413) -118.364,2.413 -118.364,-1.016
Bottom Layer:
  pour cut-out: -189.992,-1.016 -189.992,2.413 cw(c-188.722,2.413) -188.722,3.683 -119.634,3.683 cw(c-119.634,2.413) -118.364,2.413 -118.364,-1.016

## Silkscreen, mask and mechanical layers (free items; w line width, h text height)
Top Overlay:
  drawing of 23 lines, arcs and shapes, not listed
  text "ROT A" at -265.176,83.312 h0.75 r270
  text "ROT C" at -262.636,83.312 h0.75 r270
  text "ROT B" at -260.096,83.312 h0.75 r270
  text "ROT SW" at -264.16,72.898 h0.75
  text "Battery connector:" at -85.344,60.829 h0.75
  text "CON402: JST S2B-PH-KS (PH THT) / CON401: JST SM02B-SRSS-TB (SM SMD)" at -91.948,57.531 h0.75
  text "NOTE: Use only one 1 cell, 3.7V battery" at -93.693,55.655 h0.75
  text "ON  | OFF" at -30.988,42.815 h0.75 r90
  text "DIO" at -189.992,25.781 h0.75 r270
  text "CLK" at -187.579,25.781 h0.75 r270
  text "RST" at -185.039,25.781 h0.75 r270
  text "GND" at -182.499,25.781 h0.75 r270
  text "3V3" at -191.897,23.749 h0.75 r90
  text "2" at -177.546,23.495 h0.75
  text "6" at -175.006,23.495 h0.75
  text "CON304" at -211.201,23.114 h0.75
  text "Double tap S301 to enter bootloader (if flashed)" at -143.51,22.856 h0.75
  text "1: DIO - 2: 3V3 / 3: RST - 4: CLK / 5: GND - 6: NC" at -214.63,18.669 h0.75
  text "1" at -177.546,18.161 h0.75
  text "5" at -174.879,18.161 h0.75
  text "cyber60" at -140.226,3.501 h5
  text "ALPS" at -124.079,3.429 h1.25
  text "by 4pplet" at -130.302,1.524 h2
  text "Rev E1" at -140.208,1.397 h2
Bottom Overlay:
  lines w0.2: -264.668,76.708 -264.668,74.168 -259.588,74.168 -259.588,76.708 ; -265.938,76.708 -258.318,76.708 -258.318,79.248 -265.938,79.248 -265.938,76.708 ; -59.563,56.388 -59.563,60.579 -56.515,60.579 -56.515,60.198 -56.515,56.388 -59.563,56.388
  text "ROT A" at -264.414,83.312 h0.75 r90
  text "ROT C" at -261.874,83.312 h0.75 r90
  text "ROT B" at -259.334,83.312 h0.75 r90
  text "ROT SW" at -259.969,72.898 h0.75
  text "ON  | OFF" at -32.004,42.815 h0.75 r270
outline:
  lines w0.1: -284.861,36.576 -280.67,36.576 ccw(c-280.67,37.719) -279.527,37.719 ; -284.85,36.565 -284.85,2.215 ccw(c-282.85,2.215) -282.85,0.215 -275.85,0.215 cw(c-272.7,-0.52) -269.55,0.215 -236.137,0.215 cw(c-232.987,-0.52) -229.838,0.215 -189.05,0.215 cw(c-185.9,-0.52) -182.75,0.215 -102.25,0.215 cw(c-99.1,-0.52) -95.95,0.215 -55.161,0.215 cw(c-52.011,-0.52) -48.861,0.215 -15.45,0.215 cw(c-12.3,-0.52) -9.15,0.215 -2.15,0.215 ccw(c-2.15,2.215) -0.15,2.215 ccw(c-0.15,2.238) -0.127,2.238 -0.127,36.576 -4.191,36.576 cw(c-4.191,37.846) -5.461,37.846 cw(c-4.242,37.846) -4.242,39.065 -0.15,39.065 -0.15,92.415 ccw(c-2.15,92.415) -2.15,94.415 -7.15,94.415 ; -279.527,37.795 ccw(c-280.797,37.795) -280.797,39.065 -284.85,39.065 -284.85,92.415 cw(c-282.85,92.415) -282.85,94.415 -275.85,94.415 ccw(c-272.7,95.149) -269.55,94.415 -250.424,94.415 ccw(c-247.274,95.149) -244.124,94.415 -189.05,94.415 ccw(c-185.9,95.149) -182.75,94.415 -131.361,94.415 ccw(c-128.211,95.149) -125.061,94.415 -102.25,94.415 ccw(c-99.1,95.149) -95.95,94.415 -40.874,94.415 ccw(c-37.724,95.149) -34.574,94.415 -13.477,94.415 ccw(c-10.327,95.149) -7.177,94.415
  lines w0.2: -279.527,37.719 -279.527,37.795
Prophet:
  drawing of 445 lines, arcs and shapes, not listed
  text "PROPHET" at -20.347,93.6 h0.5
Plain60 - Flex:
  drawing of 558 lines, arcs and shapes, not listed
  text "PLAIN60" at -19.839,93.6 h0.5
Voyager60:
  drawing of 1064 lines, arcs and shapes, not listed
  text "VOYAGER60" at -20.474,93.6 h0.5
ArcticPCB:
  drawing of 445 lines, arcs and shapes, not listed
  text "ARCTICPCB" at -19.966,93.6 h0.5
GH60:
  drawing of 762 lines, arcs and shapes, not listed
  text "GH60" at -19.204,93.6 h0.5
Polaris:
  circle w0.013: c-9.15,85.415 r2.5
  lines w0.013: -22.675,97.915 -14.675,97.915 ; -18.675,96.415 -18.675,97.915 ; -15.65,78.415 -2.65,92.415 ; -284.45,1.715 ccw(c-282.7,1.715) -282.7,-0.035 -2.3,-0.035 ccw(c-2.3,1.715) -0.55,1.715 -0.55,92.915 ccw(c-2.3,92.915) -2.3,94.665 -12.5,94.665 cw(c-12.5,95.665) -13.492,95.54 ccw(c-14.484,95.415) -14.484,96.415 -22.866,96.415 ccw(c-22.866,95.415) -23.858,95.54 cw(c-24.85,95.665) -24.85,94.665 -282.7,94.665 ccw(c-282.7,92.915) -284.45,92.915 -284.45,1.715
  lines w0.1: -18.675,90 -18.675,93
  text "POLARIS" at -20.22,93.6 h0.5
Tsuki:
  drawing of 725 lines, arcs and shapes, not listed
  text "TSUKI" at -18.823,93.6 h0.5
Mechanical 9:
  lines w0.2: -189.992,2.413 -189.992,-1.016 -188.722,-1.016
  lines w0.203: -189.992,2.413 cw(c-188.722,2.413) -188.722,3.683 -119.634,3.683 cw(c-119.634,2.413) -118.364,2.413 -118.364,-1.016 -188.722,-1.016
Plate:
  drawing of 612 lines, arcs and shapes, not listed

## Dimensions
-0.15,92.415 to -284.85,92.415 on top dimensions
-9.15,0.215 to -7.177,94.415 on top dimensions
-0.15,92.415 to -284.85,92.415 on bot dimensions
-9.15,0.215 to -2.15,94.415 on bot dimensions

## Text inside footprints (layer, text, board x,y; h text height)
CON301: Mechanical 15 "connector edge" at -15.25,95.5 h1 r180
S261: Mehanical 16 "6.25U" at -188.764,5.615 h1.52 r270; Mehanical 16 "7U" at -208.331,7.365 h1.52 r270